# Altium PCB UHF Transceiver PCB.PcbDoc (part 3 of 5)
Units mil, origin at the board's own origin, x right, y up, seen from the top; angles counter-clockwise.
Board outline 3450 x 3675 mil, 4 copper layers (Component Side, GND, +3V3, Solder Side), stack 61.849 mil thick; 297 components, 243 nets, 1002 pads, 800 vias.
Unrouted connection lines stored in the file: 203.
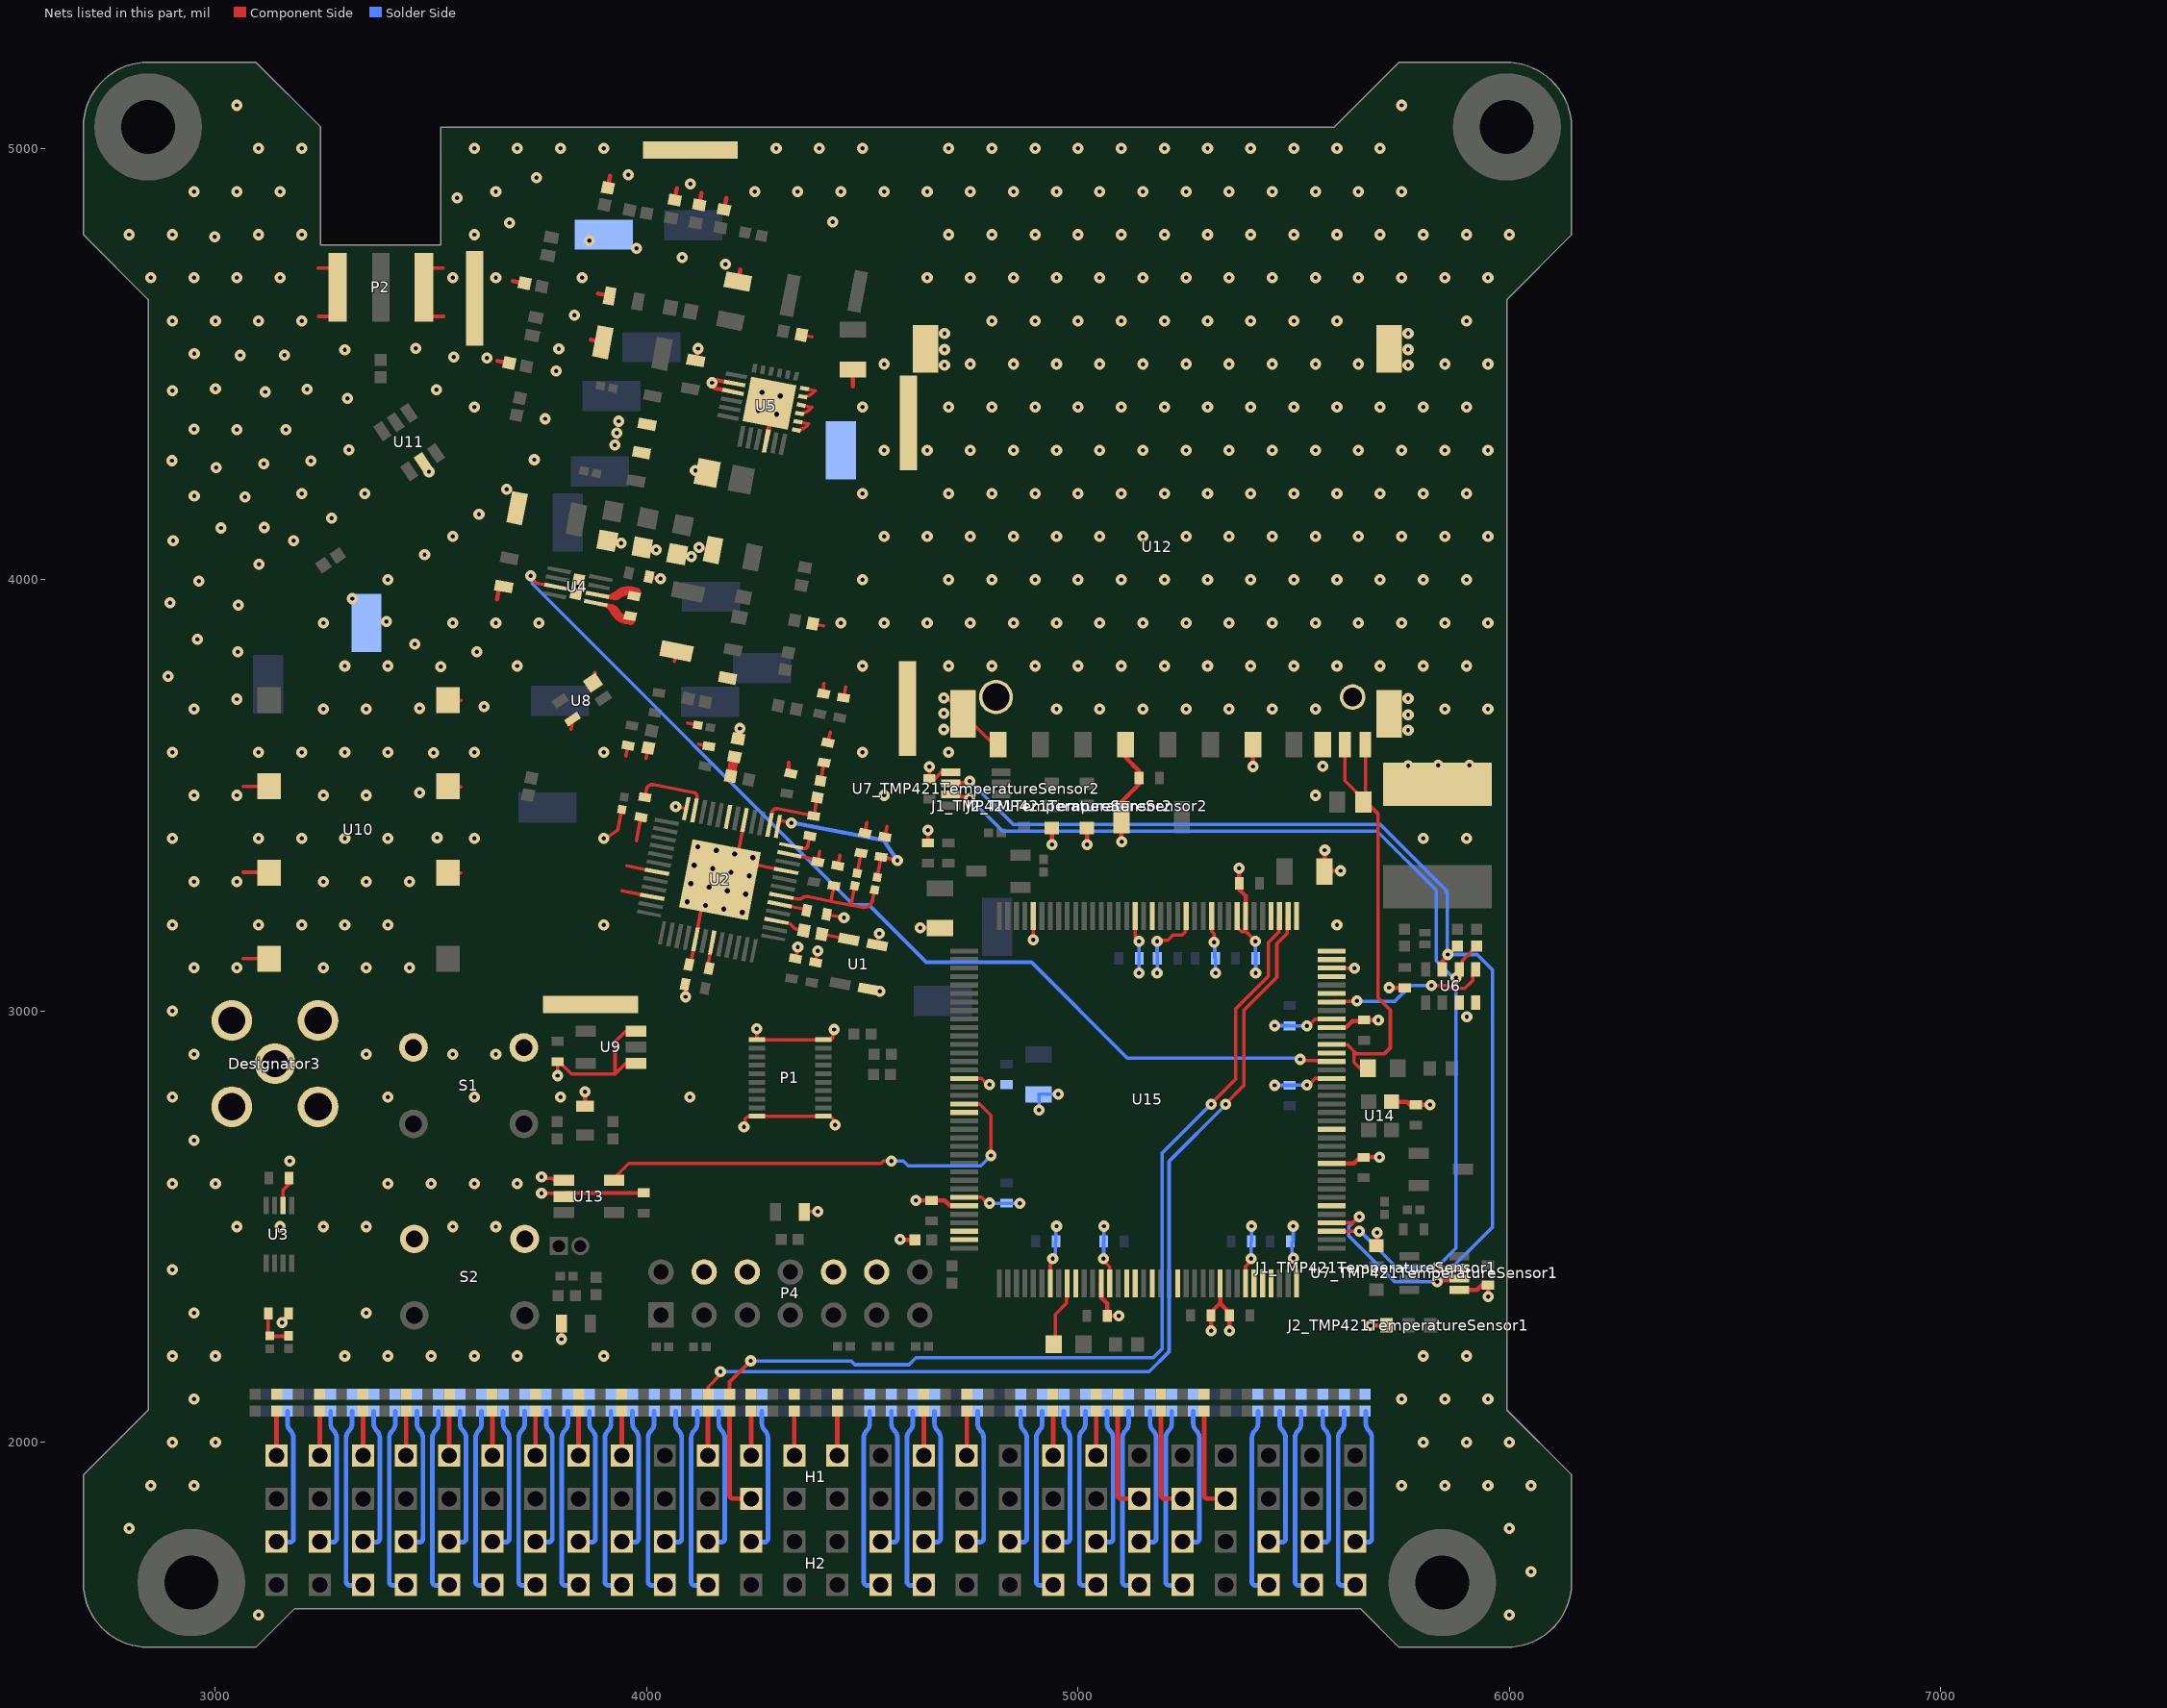
[diagram p5: the nets of this part, all layers, seen from the top]

## Via types
v1: diameter 25.84, hole 9.84, Component Side to Solder Side, tented both sides, 647 vias
v2: diameter 25.78, hole 9.84, Component Side to Solder Side, tented both sides, 129 vias
v3: diameter 21.81, hole 11.81, Component Side to Solder Side, tented both sides, 20 vias
v4: diameter 25.84, hole 9.84, Component Side to Solder Side, 3 vias
v5: diameter 25.84, hole 9.84, GND to Solder Side, tented both sides, 1 vias

## Nets (pads, with @x,y where several pads share a name; then routed paths per layer and width w, separated by ;. In a path a pad name is that pad's centre, name@x,y a point inside that pad or via, vN(x,y) a via of type N, cw(c..) or ccw(c..) an arc to the next point about the centre after c; other vN are vias at no path point) (continued)
GND: C1.2 C2.2 C3.2 C5.1 C6.1 C7.1 C8.2 C10.2 C11.1 C12.1 C13.1 C14.2 C15.1 C16.1 C17.1 C18.2 C19.1 C20.2 C22.2 C23.1 C24.1 C25.1 C26.1 C27.2 C28.2 C29.1 C30.1 C31.1 C32.2 C33.1 C34.2 C35.1 C36.2 C37.1 C38.1 C39.2 C40.1 C41.1 C42.1 C43.1 C45.2 C46.2 C48_TMP421TemperatureSensor1.2 C48_TMP421TemperatureSensor2.2 C49.2 C50.1 C51.2 C59.1 C60.1 C61.1 C62.2 C63.2 C64.2 C65.1 C66.1 C67.1 C68.1 C69.1 C70.1 C71.1 C72.1 C73.1 C74.1 C75.1 C76.1 C77.1 C78.1 C79.1 C80.1 C81.1 C82.1 C83.1 C84.1 C85.1 C86.1 C87.1 C88.1 C89.1 C90.1 C91.1 Designator1.1 Designator2.1 Designator3.1 Designator3.2 Designator3.3 Designator3.4 Designator3.5 Designator4.1 Designator5.1 Designator7.1 H1.6 H1.8 H1.10 H1.12 H1.14 H1.18 H1.26 H1.28 H1.38 H1.40 H2.2 H2.4 H2.13 H2.14 H2.24 H2.29 H2.30 H2.31 H2.32 H2.34 H2.36 H2.47 H2.48 H2.49 H2.50 H2.51 H2.52 J1_TMP421TemperatureSensor1.1 J1_TMP421TemperatureSensor2.1 J2_TMP421TemperatureSensor1.1 J2_TMP421TemperatureSensor2.1 L4.1 P1.1 P1.2 P1.19 P1.20 P2.2 P4.4 P4.6 P4.10 P4.12 R4.2 R9.1 R10.1 R31_1.1 R31_1.2 R33_1.1 R33_1.2 R35_1.1 R35_1.2 R37.1 R37.2 R39.1 R39.2 R43.1 R43.2 R51.1 R51.2 R53.1 R53.2 R63.1 R63.2 R65.1 R65.2 R79.1 R79.2 R81.1 R81.2 R90.1 R90.2 R91.1 R91.2 R101.1 R101.2 R106.1 R106.2 R107.1 R107.2 R108.1 R108.2 R109.1 R109.2 R111.1 R111.2 R113.1 R113.2 R124.1 R124.2 R125.1 R125.2 R126.1 R126.2 R127.1 R127.2 R128.1 R128.2 R129_1.1 R129_1.2 S1.1 S2.1 TP6.1 TP13.1 TP14.1 U1.1 U1.2 U2.5 U2.12 U2.19 U2.22 U2.29 U2.45 U2.47 U2.49 U3.2 U4.5 U4.9 U5.4 U5.7 U5.8 U5.9 U5.10 U5.11 U5.12 U5.20 U5.21 U5.25 U6.3 U6.4 U7_TMP421TemperatureSensor1.5 U7_TMP421TemperatureSensor2.5 U8.2 U8.4 U9.1 U9.3 U10.2 U10.3 U10.4 U10.5 U10.6 U10.7 U11.2 U12.3 U12.6 U12.8 U12.9 U12.12 U13.2 U13.3 U14.2 U15.11 U15.21 U15.27 U15.28 U15.34 U15.43 U15.44 U15.47 U15.50 U15.56 U15.68 U15.88 U15.102 U15.103 U15.115 U15.121 U15.122 U15.135 U15.138 U15.144 | length 16369.3
  Component Side w6: v1@3930.04,4313.23 3935.06,4339.07 v1@3936.42,4346.08
  Component Side w8: 3063.98,3121.78 3064.2,3121.56 U10.7@3108.96,3121.56 ; 3063.98,3321.78 3064.2,3321.56 U10.5@3108.96,3321.56 ; 3064,3521 3064.22,3520.78 U10.3@3108.98,3520.78 ; v1(3154,2278) 3158.22,2278 3163.39,2283.17 3163.39,2292.76 C19.1@3169.62,2299 ; U3.2@3156.83,2548.93 3156.83,2584.68 3170.71,2598.57 C20.2@3170.71,2612.74 ; 3238.64,4722.54 3265.7,4722.54 3283.2,4705.04 P2.2@3283.2,4677.68 3283.2,4628.04 3265.7,4610.54 3239,4610.54 ; U10.6@3524,3320 3568.76,3320 3568.98,3319.78 ; U10.4@3524,3520 3568.76,3520 3568.98,3519.78 ; U10.2@3524,3720 3568.76,3720 3568.98,3719.78 ; 3528.28,4722.54 3501,4722.54 3483.5,4705.04 P2.2@3483.5,4677.68 3483.5,4628.04 3501,4610.54 3528.64,4610.54 ; v1(3756,2577) 3809.93,2577 3810.93,2578 3978.2,2578 3978.83,2578.62 C64.2@3993,2578.62 ; v1(3756,2615) 3759.41,2611.59 3780.12,2611.59 3784.31,2607.4 U13.3@3807.93,2607.4 ; v1(3793,2850) C49.2@3793,2882.38 3796.94,2882.38 3825.51,2853.8 3926.42,2853.8 ; v1@3802.53,2234.47 v1(3802.53,2239) C66.1@3802.53,2275.8 ; 3824.52,3653.54 3828.99,3676.52 U8.4@3829.29,3678.05 ; U8.2@3875,3760.41 U8.2@3875.09,3760.86 3879.76,3784.92 ; v1@3910,3403.78 3932.27,3418.8 3941.65,3467.06 R10.1@3941.74,3467.54 ; 3942.6,3278.38 U2.22@4012.66,3264.76 ; 3951.66,3591.25 C51.2@3956.34,3615.31 C51.2@3956.43,3615.77 ; 3953.86,3336.35 U2.19@4023.93,3322.73 ; U9.1@3974.83,2878.6 3951.21,2878.6 3926.42,2853.8 ; U9.3@3974.83,2953.4 3951.21,2953.4 3926.42,2928.61 3926.42,2853.8 ; 3975.8,3395.19 3986.33,3449.35 C18.2@3986.43,3449.83 ; 3998.72,3585.72 C50.1@4003.39,3609.77 C50.1@4003.48,3610.23 ; 4064.16,3810.64 C31.1@4068.84,3834.7 C31.1@4068.92,3835.16 ; v1(4066.98,3473.8) U2.12@4091.49,3469.04 ; U2.49@4089,3249.92 v3(4093.62,3253.03) ; U2.49@4092.54,3309.39 v3(4101.88,3295.54) ; 4094.05,3667.48 R9.1@4118.1,3662.81 R9.1@4118.56,3662.72 ; C14.2@4100.84,3104.47 4101.3,3106.83 U2.29@4112.81,3166.06 4126.9,3238.54 v3(4136.13,3244.77) ; 4119.6,3618.4 C16.1@4143.66,3613.72 C16.1@4144.11,3613.63 ; 4159.8,4445.79 4153.28,4452.32 cw(c4157.67,4456.71) v1(4151.46,4456.71) ccw(c4151.46,4465.63) 4157.76,4459.31 v1@4161.45,4463 ; C36.2@4187.28,3771.87 C36.2@4187.37,3772.32 ; v3(4203.43,3364.04) 4212.66,3370.26 U2.5@4226.75,3442.74 ; C17.1@4211.32,3630.54 C17.1@4211.41,3630.99 v1(4216.08,3655.05) ; v1@4225,2731.63 4228.41,2735.04 4228.41,2749.92 4234.54,2756.05 P1.2@4255.23,2756.05 P1.1@4408.77,2756.05 ; v3(4245.94,3355.77) 4258.4,3337.31 U2.45@4323.15,3324.73 ; v1(4255,2959) 4255.23,2958.77 P1.20@4255.23,2933.21 P1.19@4408.77,2933.21 4427.77,2933.21 4431.07,2936.51 4431.07,2953.59 v1(4434.48,2957) ; 4329,3576 4329,3555.9 4334.21,3550.69 C13.1@4334.12,3550.21 ; U2.47@4330.66,3363.37 C5.1@4392.25,3351.4 ; C7.1@4344.95,3121.56 v1(4350.09,3148.01) ; U5.7@4346.72,4346.77 ccw(c4346.72,4381.62) 4371.36,4356.98 4375.44,4361.06 U5.8@4350.92,4365.82 ; U5.9@4354.23,4385.42 ccw(c4354.23,4420.27) 4378.87,4395.63 ; U5.10@4358.44,4404.47 4382.95,4399.71 ; C40.1@4358.7,4567.57 4383.21,4562.81 ; U5.11@4361.74,4424.06 ccw(c4361.74,4458.91) 4386.38,4434.27 ; C67.1@4365.46,2534 4366.46,2535 v1(4396,2535) ; U5.12@4365.95,4443.12 4390.46,4438.35 ; L4.1@4385.38,3897.46 4409.89,3892.69 ; C6.1@4391.33,3112.55 v1(4396.47,3138.99) ; C5.1@4396.56,3345.77 4401.32,3370.28 ; C12.1@4411,3735.75 4410.07,3736.68 4410.07,3758.07 4411,3759 ; P1.1@4412.8,2755.8 4425.58,2755.8 4433.05,2748.33 4433.05,2738.79 v1(4436.46,2735.38) ; C8.2@4417.02,3224.1 v1(4457.25,3216.28) ; C10.2@4420.21,3621.71 4420.3,3622.19 4424.97,3646.22 ; C3.2@4442.93,3336.75 4447.7,3361.26 ; C11.1@4456.27,3726.45 4461.04,3750.96 ; C2.2@4505.83,3412.76 4510.6,3437.27 ; U1.1@4513.97,3050.84 v1(4540.42,3045.7) ; U1.2@4533.88,3153.26 v1(4539.02,3179.7) ; C1.2@4552.21,3403.75 4556.97,3428.26 ; v1(4634,3192.89) 4673.93,3192.89 4677.21,3189.61 C91.1@4679.62,3192.02 ; C48_TMP421TemperatureSensor2.2@4650,3538.04 4650.04,3538.08 4667.01,3538.08 4682.93,3554 U7_TMP421TemperatureSensor2.5@4704.93,3554 ; C90.1@4651.62,3389.93 v1(4651.62,3419) ; C48_TMP421TemperatureSensor2.2@4655,3538.34 v1(4655,3566.26) ; v1@4687.61,3724.89 4697.11,3724.89 4804.32,3617.68 U12.9@4814.5,3617.68 ; U15.102@4735.62,2568.59 4775.39,2568.59 4789.39,2554.59 v1(4794,2554.59) v1@4794.21,2554.59 ; U15.88@4735.62,2843.59 4775.39,2843.59 4789.39,2829.59 v1(4794,2829.59) v1@4794.21,2829.59 ; v1(4896,3165) 4896.06,3165.06 U15.68@4896.06,3220.56 ; U15.115@4935.43,2368.2 4935.43,2415.6 4941,2421.17 v1(4941,2426) ; v1(5058.95,2426) 5058.95,2421.17 5073.22,2406.9 U15.122@5073.22,2368.2 ; U15.56@5132.28,3220.56 5132.28,3171.02 v1(5141.3,3162) ; v1(5183.05,3162) 5185.27,3164.22 5207.97,3164.22 5219.84,3176.08 5241.52,3176.08 5248.55,3183.11 5248.55,3186.76 5250.39,3188.6 U15.50@5250.39,3220.56 ; U15.47@5309.44,3220.56 5309.44,3184.95 5314.88,3179.51 5314.88,3159.12 v1(5315,3159) ; U15.44@5368.5,3220.56 5368.5,3193.92 5378.5,3183.92 5389.21,3183.92 5411.13,3162 v1(5411.3,3162) ; U15.138@5388.18,2368.2 5388.18,2408.16 5401.19,2421.17 v1(5401.19,2426) ; v1(5499,2427) 5502.41,2423.59 5502.41,2410.62 5506.29,2406.74 U15.144@5506.29,2368.2 ; v1(5530,2828) 5534.06,2828 5549.65,2843.59 U15.21@5587.99,2843.59 ; v1(5530,2965.05) v1@5532.58,2965.05 ; v1@5534.06,2965.05 v1@5532.58,2965.05 ; U15.28@5587.99,2981.39 5548.91,2981.39 v1@5532.58,2965.05 ; U15.34@5587.99,3099.5 5588.52,3098.96 5588.56,3099 5588.6,3098.96 v1(5641,3098.96)
  Component Side w10: 3652.8,3953.98 C24.1@3658.42,3986.33 ; 3653.64,4507.54 C61.1@3681.23,4502.18 ; 3689.58,4692.42 C60.1@3717.17,4687.06 ; C65.1@3856.81,2778.84 3855,2780.65 3858,2783.65 3856.81,2784.84 v1(3856.81,2813) ; 3870.58,4556.05 C27.2@3898.17,4550.68 ; 3886.41,4663.26 C30.1@3914,4657.9 ; C29.1@3908.28,4090.39 v1(3940.63,4084.77) ; C59.1@3909.5,4908.51 3914.86,4936.1 ; C33.1@3989.44,4074.61 v1(4021.79,4068.99) ; C23.1@4004.8,4006.81 v1@4032.01,4002.09 ; C42.1@4064.64,4880.1 4070,4907.69 ; C26.1@4070.6,4058.84 v1(4102.95,4053.22) ; C15.1@4084.32,3062.95 4089.59,3057.68 v1(4089.59,3032.81) ; v1(4112.74,4252.72) C38.1@4140.33,4247.36 ; C34.2@4113.51,4508.21 v1(4118.87,4535.8) ; v1(4121.47,4074.77) C39.2@4153.82,4069.15 ; C43.1@4121.71,4869.01 4127.08,4896.6 ; C41.1@4178.79,4857.91 4184.15,4885.5 ; C35.1@4211.28,4691.36 4216.64,4718.95 ; U5.4@4277.02,4321.22 4289.6,4385.95 4293.73,4407.2 U5.25@4294.48,4411.05 ; C37.1@4477.51,4486.71 4477.51,4449.83 4477.83,4449.51 4477.83,4448.51 ; v1(4587,2470) 4587.42,2469.58 R4.2@4621.32,2469.58 ; v1(4624,2560.62) C86.1@4660,2560.62 4690.84,2560.62 4703.14,2548.32 U15.103@4735.62,2548.32 ; J1_TMP421TemperatureSensor2.1@4939,3424.2 4939,3387.32 4939.32,3387 v1(4939.32,3386) ; J2_TMP421TemperatureSensor2.1@5020.68,3424.2 5020.68,3387.32 5021,3387 v1(5021,3386) ; U15.121@5053.54,2368.2 5053.54,2335.72 5067.62,2321.63 C83.1@5067.62,2293 v1(5094,2293) ; v1(5101,3392) 5100.4,3392.6 C63.2@5100.4,3449.79 5100.4,3484.85 5141.38,3525.83 C62.2@5141.38,3540 5141.38,3556.55 5109.78,3588.15 U12.3@5109.78,3617.68 ; v1(5308,2259) 5308,2301.5 5329.13,2322.63 ; U15.135@5329.13,2368.2 5329.13,2322.63 ; v1(5350.75,2259) C88.1@5350.75,2294 5350.75,2300.38 5329.13,2322.01 5329.13,2322.63 ; v1@5373.19,3328.81 5373.19,3296.19 C85.1@5373.38,3296 5373.38,3281.83 5388.18,3267.02 U15.43@5388.18,3220.56 ; v1(5405,3567) 5405.05,3567.05 U12.6@5405.05,3617.68 ; C89.1@5571.21,3323.56 C89.1@5572,3324.35 ; v1(5572,3373) C89.1@5572,3324.35 ; U15.11@5587.99,2646.74 5639.49,2646.74 5647.76,2655.01 5658.76,2655.01 C82.1@5664,2660.24 ; U15.27@5587.99,2961.7 5620.47,2961.7 5634.88,2976.11 C84.1@5663,2976.11 ; v1(5608,3325) 5572.65,3325 C89.1@5572,3324.35 ; C82.1@5662,2660.62 v1(5698.62,2660.62) ; C84.1@5663,2979.11 v1(5695.89,2979.11) ; v1(5677,2271) J2_TMP421TemperatureSensor1.1@5714.64,2271 ; J1_TMP421TemperatureSensor1.1@5691,2456.18 5693,2458.18 v1(5693,2486) ; v1(5721,3054) 5721.62,3053.38 C46.2@5757,3053.38 ; U14.2@5726.57,2789.48 5761.97,2789.48 5768.83,2782.62 C81.1@5783,2782.62 5783.19,2782.81 5815.81,2782.81 v1(5816,2783) ; U7_TMP421TemperatureSensor1.5@5883.88,2353.38 5924.83,2353.38 5935.83,2364.38 C48_TMP421TemperatureSensor1.2@5950,2364.38 5950.5,2363.88 5950.5,2338.5 v1(5951,2338)
  Component Side w10.24: U4.5@3891.69,3943.59 U4.5@3905.09,3940.98 ; U4.5@3905.21,3940.96 cw(c3902.54,3927.84) 3909.36,3939.36 cw(c3902.54,3927.84) 3913.64,3935.33 ccw(c3902.54,3927.84) U4.5@3905.16,3940.97 ; 3924.53,3919.17 3913.65,3935.31 ; 3934.13,3924.88 3930.28,3930.59 ; 4157.69,4443.67 U5.21@4199.96,4435.46 ; v1@4161.45,4463 U5.20@4203.71,4454.78 ; U4.5@3905.09,3940.98 cw(c3902.54,3927.84) U4.5@3905.16,3940.97 ; U4.5@3905.09,3940.98 cw(c3902.54,3927.84) U4.5@3905.16,3940.97 ; U4.5@3905.09,3940.98 U4.5@3905.16,3940.97 ; U4.5@3905.16,3940.97 3918.54,3938.37 ; 3913.65,3935.31 ccw(c3928.9,3945.62) 3925.38,3927.55 cw(c3928.9,3945.62) 3913.71,3935.22 cw(c3928.9,3945.62) 3913.65,3935.31 ; 3918.54,3938.37 cw(c3915.02,3920.3) 3930.28,3930.59 ; 3918.54,3938.37 cw(c3915.02,3920.3) 3925.72,3935.28 cw(c3915.02,3920.3) 3930.28,3930.59
  Component Side w10.8: H1.6@3341.92,1969.38 R31_1.1@3341.92,2073.27 ; H1.8@3441.92,1969.38 R33_1.1@3441.92,2073.27 ; H1.10@3541.92,1969.38 R35_1.1@3541.92,2073.27 ; R37.1@3641.81,2073.38 3641.92,2073.27 H1.12@3641.92,1969.38 ; H1.14@3741.92,1969.38 R39.1@3741.92,2073.27 ; H1.18@3941.92,1969.38 R43.1@3941.92,2073.27 ; H1.26@4341.92,1969.38 R51.1@4341.92,2073.27 ; H1.28@4441.92,1969.38 R53.1@4441.92,2073.27 ; H1.38@4941.92,1969.38 R63.1@4941.92,2073.27 ; H1.40@5041.92,1969.38 R65.1@5041.92,2073.27
  Component Side w21.55: U11.2@3480.37,4272.49 v1(3495.06,4250.38) ; 3929.45,3921.72 ccw(c3955.95,3939.6) 3949.85,3908.22 C25.1@3963.11,3905.64
  Solder Side w8: v1@4794.21,2554.59 4794.43,2554.38 C73.1@4834,2554.38 4834.22,2554.16 v1(4865,2554.16) 4873.78,2554.16 v1@4874.21,2554.59 ; v1(4909,2770) 4909,2805.74 C80.1@4908,2806.74 4908.26,2807 v1(4954,2807) ; v1(4941,2426) 4946.81,2431.81 4946.81,2464.19 C72.1@4948.62,2466 v1@4948.62,2505.57 ; v1(5058.95,2426) 5059.16,2426.22 5059.16,2465.79 C78.1@5059.38,2466 v1(5059.38,2501) 5059.38,2505.57 v1@5058.95,2506 ; v1@5141.3,3082 5141.62,3082.33 C71.1@5141.62,3122 5141.62,3136.17 5141.3,3136.5 v1(5141.3,3162) ; v1@5183.05,3082 5183.38,3082.33 C74.1@5183.38,3122 5183.38,3136.17 5183.05,3136.5 v1(5183.05,3162) ; v1(5315,3159) 5316.81,3157.19 5316.81,3123.81 C76.1@5318.62,3122 v1@5318.62,3082.33 ; v1(5401.19,2426) 5401.41,2426.21 5401.41,2465.78 C79.1@5401.62,2466 v1(5401.62,2501) 5401.62,2505.57 v1@5401.19,2506 ; v1@5411.3,3082 5411.62,3082.33 v1(5411.62,3088) C69.1@5411.62,3122 5411.62,3136.17 5411.3,3136.5 v1(5411.3,3162) ; v1@5450,2965.05 5450.95,2966 v1(5456,2966) 5489.38,2966 C77.1@5490,2965.38 5504.17,2965.38 5504.5,2965.05 v1(5530,2965.05) ; v1(5456,2827.67) C70.1@5490,2827.67 5504.17,2827.67 5504.5,2828 v1(5530,2828) ; v1@5498.43,2505.57 v1(5498.43,2501) 5498.43,2466 5495.96,2463.53 5495.96,2430.04 v1(5499,2427)
  Solder Side w10.8: H2.2@3141.92,1768.44 3172.77,1768.44 ; R79.1@3166.92,2072.07 3166.92,2043.9 ccw(c3190.62,2043.9) 3173.86,2027.13 3174,2026.99 ; H2.4@3241.92,1768.44 3272.77,1768.44 ; R81.1@3266.92,2072.07 3266.92,2043.9 ccw(c3290.62,2043.9) 3273.86,2027.13 3274,2026.99 ; R90.2@3716.92,2072.07 3716.92,2043.9 ; H2.14@3741.92,1768.44 3772.77,1768.44 ; H2.13@3743.92,1668.44 3711.06,1668.44 ; R91.1@3766.92,2072.07 3766.92,2043.9 ccw(c3790.62,2043.9) 3773.86,2027.13 3774,2026.99 ; H2.24@4241.92,1768.44 4272.77,1768.44 ; R101.1@4266.92,2072.07 4266.92,2043.9 ccw(c4290.62,2043.9) 4273.86,2027.13 4274,2026.99 ; R106.2@4516.92,2072.07 4516.92,2043.9 ; H2.30@4541.92,1768.44 4572.77,1768.44 ; H2.29@4543.92,1668.44 4511.06,1668.44 ; R107.1@4566.92,2072.07 4566.92,2043.9 ccw(c4590.62,2043.9) 4573.86,2027.13 4574,2026.99 ; R108.2@4616.92,2072.07 4616.92,2043.9 ; H2.32@4641.92,1768.44 4672.77,1768.44 ; H2.31@4643.92,1668.44 4611.06,1668.44 ; R109.1@4666.92,2072.07 4666.92,2043.9 ccw(c4690.62,2043.9) 4673.86,2027.13 4674,2026.99 ; H2.34@4741.92,1768.44 4772.77,1768.44 ; R111.1@4766.92,2072.07 4766.92,2043.9 ccw(c4790.62,2043.9) 4773.86,2027.13 4774,2026.99 ; H2.36@4841.92,1768.44 4872.77,1768.44 ; R113.1@4866.92,2072.07 4866.92,2043.9 ccw(c4890.62,2043.9) 4873.86,2027.13 4874,2026.99 ; R124.2@5416.92,2072.07 5416.92,2043.9 ; H2.48@5441.92,1768.44 5472.77,1768.44 ; H2.47@5443.92,1668.44 5411.06,1668.44 ; R125.1@5466.92,2072.07 5466.92,2043.9 ccw(c5490.62,2043.9) 5473.86,2027.13 5474,2026.99 ; R126.2@5516.92,2072.07 5516.92,2043.9 ; H2.50@5541.92,1768.44 5572.77,1768.44 ; H2.49@5543.92,1668.44 5511.06,1668.44 ; R127.1@5566.92,2072.07 5566.92,2043.9 ccw(c5590.62,2043.9) 5573.86,2027.13 5574,2026.99 ; R128.2@5616.92,2072.07 5616.92,2043.9 ; H2.52@5641.92,1768.44 5672.77,1768.44 ; H2.51@5643.92,1668.44 5611.06,1668.44 ; R129_1.1@5666.92,2072.07 5666.92,2043.9 ccw(c5690.62,2043.9) 5673.86,2027.13 5674,2026.99 ; 3172.77,1768.44 ccw(c3172.77,1776.62) 3180.95,1776.62 ; 3172.77,1768.44 ccw(c3172.77,1776.62) 3180.95,1776.62 ; 3174,2026.99 cw(c3157.24,2010.23) 3180.95,2010.23 ; 3174,2026.99 cw(c3157.24,2010.23) 3180.95,2010.23 ; 3180.95,1776.62 3180.95,2010.23 ; 3272.77,1768.44 ccw(c3272.77,1776.62) 3280.95,1776.62 ; 3272.77,1768.44 ccw(c3272.77,1776.62) 3280.95,1776.62 ; 3274,2026.99 cw(c3257.24,2010.23) 3280.95,2010.23 ; 3274,2026.99 cw(c3257.24,2010.23) 3280.95,2010.23 ; 3280.95,1776.62 3280.95,2010.23 ; 3702.89,1676.62 ccw(c3711.06,1676.62) 3711.06,1668.44 ; 3702.89,1676.62 ccw(c3711.06,1676.62) 3711.06,1668.44 ; 3702.89,1676.62 3702.89,2010.23 ; 3702.89,2010.23 cw(c3726.59,2010.23) 3709.83,2026.99 ; 3702.89,2010.23 cw(c3726.59,2010.23) 3709.83,2026.99 ; 3709.83,2026.99 3709.97,2027.13 ; 3709.97,2027.13 ccw(c3693.21,2043.9) 3716.92,2043.9 ; 3709.97,2027.13 ccw(c3693.21,2043.9) 3716.92,2043.9 ; 3772.77,1768.44 ccw(c3772.77,1776.62) 3780.95,1776.62 ; 3772.77,1768.44 ccw(c3772.77,1776.62) 3780.95,1776.62 ; 3774,2026.99 cw(c3757.24,2010.23) 3780.95,2010.23 ; 3774,2026.99 cw(c3757.24,2010.23) 3780.95,2010.23 ; 3780.95,1776.62 3780.95,2010.23 ; 4272.77,1768.44 ccw(c4272.77,1776.62) 4280.95,1776.62 ; 4272.77,1768.44 ccw(c4272.77,1776.62) 4280.95,1776.62 ; 4274,2026.99 cw(c4257.24,2010.23) 4280.95,2010.23 ; 4274,2026.99 cw(c4257.24,2010.23) 4280.95,2010.23 ; 4280.95,1776.62 4280.95,2010.23 ; 4502.89,1676.62 ccw(c4511.06,1676.62) 4511.06,1668.44 ; 4502.89,1676.62 ccw(c4511.06,1676.62) 4511.06,1668.44 ; 4502.89,1676.62 4502.89,2010.23 ; 4502.89,2010.23 cw(c4526.59,2010.23) 4509.83,2026.99 ; 4502.89,2010.23 cw(c4526.59,2010.23) 4509.83,2026.99 ; 4509.83,2026.99 4509.97,2027.13 ; 4509.97,2027.13 ccw(c4493.21,2043.9) 4516.92,2043.9 ; 4509.97,2027.13 ccw(c4493.21,2043.9) 4516.92,2043.9 ; 4572.77,1768.44 ccw(c4572.77,1776.62) 4580.95,1776.62 ; 4572.77,1768.44 ccw(c4572.77,1776.62) 4580.95,1776.62 ; 4574,2026.99 cw(c4557.24,2010.23) 4580.95,2010.23 ; 4574,2026.99 cw(c4557.24,2010.23) 4580.95,2010.23 ; 4580.95,1776.62 4580.95,2010.23 ; 4602.89,1676.62 ccw(c4611.06,1676.62) 4611.06,1668.44 ; 4602.89,1676.62 ccw(c4611.06,1676.62) 4611.06,1668.44 ; 4602.89,1676.62 4602.89,2010.23 ; 4602.89,2010.23 cw(c4626.59,2010.23) 4609.83,2026.99 ; 4602.89,2010.23 cw(c4626.59,2010.23) 4609.83,2026.99 ; 4609.83,2026.99 4609.97,2027.13 ; 4609.97,2027.13 ccw(c4593.21,2043.9) 4616.92,2043.9 ; 4609.97,2027.13 ccw(c4593.21,2043.9) 4616.92,2043.9 ; 4672.77,1768.44 ccw(c4672.77,1776.62) 4680.95,1776.62 ; 4672.77,1768.44 ccw(c4672.77,1776.62) 4680.95,1776.62 ; 4674,2026.99 cw(c4657.24,2010.23) 4680.95,2010.23 ; 4674,2026.99 cw(c4657.24,2010.23) 4680.95,2010.23 ; 4680.95,1776.62 4680.95,2010.23 ; 4772.77,1768.44 ccw(c4772.77,1776.62) 4780.95,1776.62 ; 4772.77,1768.44 ccw(c4772.77,1776.62) 4780.95,1776.62 ; 4774,2026.99 cw(c4757.24,2010.23) 4780.95,2010.23 ; 4774,2026.99 cw(c4757.24,2010.23) 4780.95,2010.23 ; 4780.95,1776.62 4780.95,2010.23 ; 4872.77,1768.44 ccw(c4872.77,1776.62) 4880.95,1776.62 ; 4872.77,1768.44 ccw(c4872.77,1776.62) 4880.95,1776.62 ; 4874,2026.99 cw(c4857.24,2010.23) 4880.95,2010.23 ; 4874,2026.99 cw(c4857.24,2010.23) 4880.95,2010.23 ; 4880.95,1776.62 4880.95,2010.23 ; 5402.89,1676.62 ccw(c5411.06,1676.62) 5411.06,1668.44 ; 5402.89,1676.62 ccw(c5411.06,1676.62) 5411.06,1668.44 ; 5402.89,1676.62 5402.89,2010.23 ; 5402.89,2010.23 cw(c5426.59,2010.23) 5409.83,2026.99 ; 5402.89,2010.23 cw(c5426.59,2010.23) 5409.83,2026.99 ; 5409.83,2026.99 5409.97,2027.13 ; 5409.97,2027.13 ccw(c5393.21,2043.9) 5416.92,2043.9 ; 5409.97,2027.13 ccw(c5393.21,2043.9) 5416.92,2043.9 ; 5472.77,1768.44 ccw(c5472.77,1776.62) 5480.95,1776.62 ; 5472.77,1768.44 ccw(c5472.77,1776.62) 5480.95,1776.62 ; 5474,2026.99 cw(c5457.24,2010.23) 5480.95,2010.23 ; 5474,2026.99 cw(c5457.24,2010.23) 5480.95,2010.23 ; 5480.95,1776.62 5480.95,2010.23 ; 5502.89,1676.62 ccw(c5511.06,1676.62) 5511.06,1668.44 ; 5502.89,1676.62 ccw(c5511.06,1676.62) 5511.06,1668.44 ; 5502.89,1676.62 5502.89,2010.23 ; 5502.89,2010.23 cw(c5526.59,2010.23) 5509.83,2026.99 ; 5502.89,2010.23 cw(c5526.59,2010.23) 5509.83,2026.99 ; 5509.83,2026.99 5509.97,2027.13 ; 5509.97,2027.13 ccw(c5493.21,2043.9) 5516.92,2043.9 ; 5509.97,2027.13 ccw(c5493.21,2043.9) 5516.92,2043.9 ; 5572.77,1768.44 ccw(c5572.77,1776.62) 5580.95,1776.62 ; 5572.77,1768.44 ccw(c5572.77,1776.62) 5580.95,1776.62 ; 5574,2026.99 cw(c5557.24,2010.23) 5580.95,2010.23 ; 5574,2026.99 cw(c5557.24,2010.23) 5580.95,2010.23 ; 5580.95,1776.62 5580.95,2010.23 ; 5602.89,1676.62 ccw(c5611.06,1676.62) 5611.06,1668.44 ; 5602.89,1676.62 ccw(c5611.06,1676.62) 5611.06,1668.44 ; 5602.89,1676.62 5602.89,2010.23 ; 5602.89,2010.23 cw(c5626.59,2010.23) 5609.83,2026.99 ; 5602.89,2010.23 cw(c5626.59,2010.23) 5609.83,2026.99 ; 5609.83,2026.99 5609.97,2027.13 ; 5609.97,2027.13 ccw(c5593.21,2043.9) 5616.92,2043.9 ; 5609.97,2027.13 ccw(c5593.21,2043.9) 5616.92,2043.9 ; 5672.77,1768.44 ccw(c5672.77,1776.62) 5680.95,1776.62 ; 5672.77,1768.44 ccw(c5672.77,1776.62) 5680.95,1776.62 ; 5674,2026.99 cw(c5657.24,2010.23) 5680.95,2010.23 ; 5674,2026.99 cw(c5657.24,2010.23) 5680.95,2010.23 ; 5680.95,1776.62 5680.95,2010.23